# Altium PCB Power.PcbDoc
Units mil, origin at the board's own origin, x right, y up, seen from the top; angles counter-clockwise.
Board outline 2755.91 x 1629.77 mil, 2 copper layers (Top Layer, Bottom Layer), stack 21 mil thick; 68 components, 55 nets, 253 pads, 630 vias.
Unrouted connection lines stored in the file: 53.
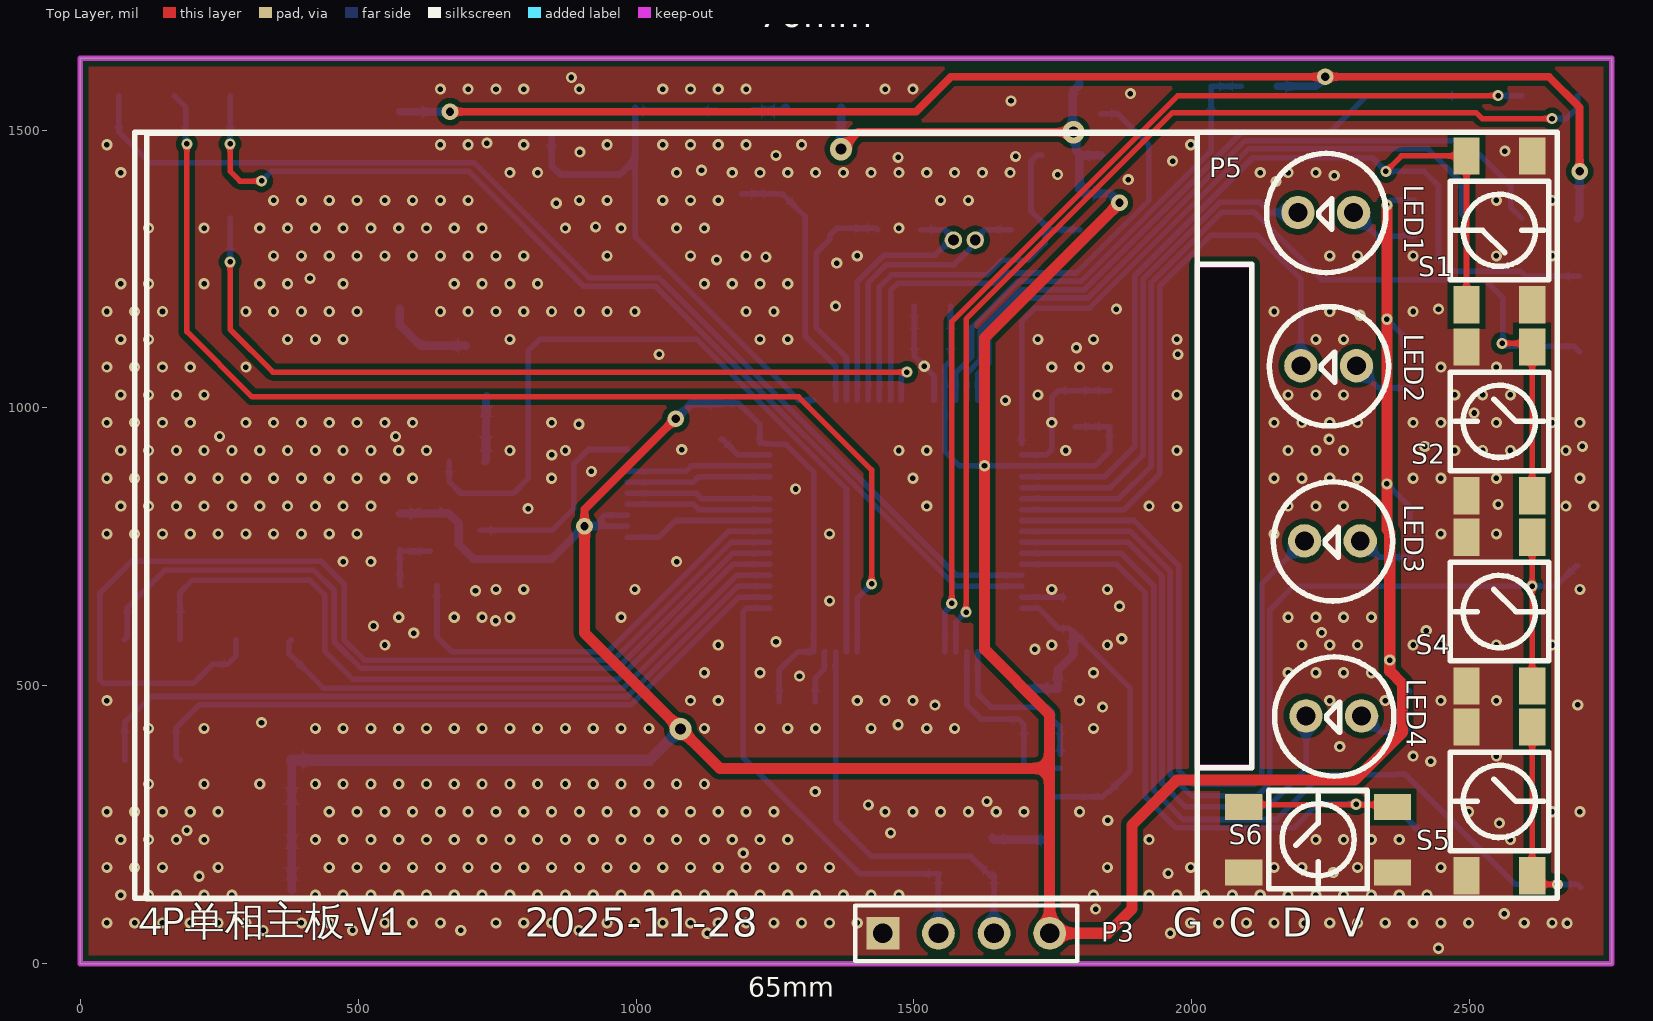
[diagram p0: Top Layer view]
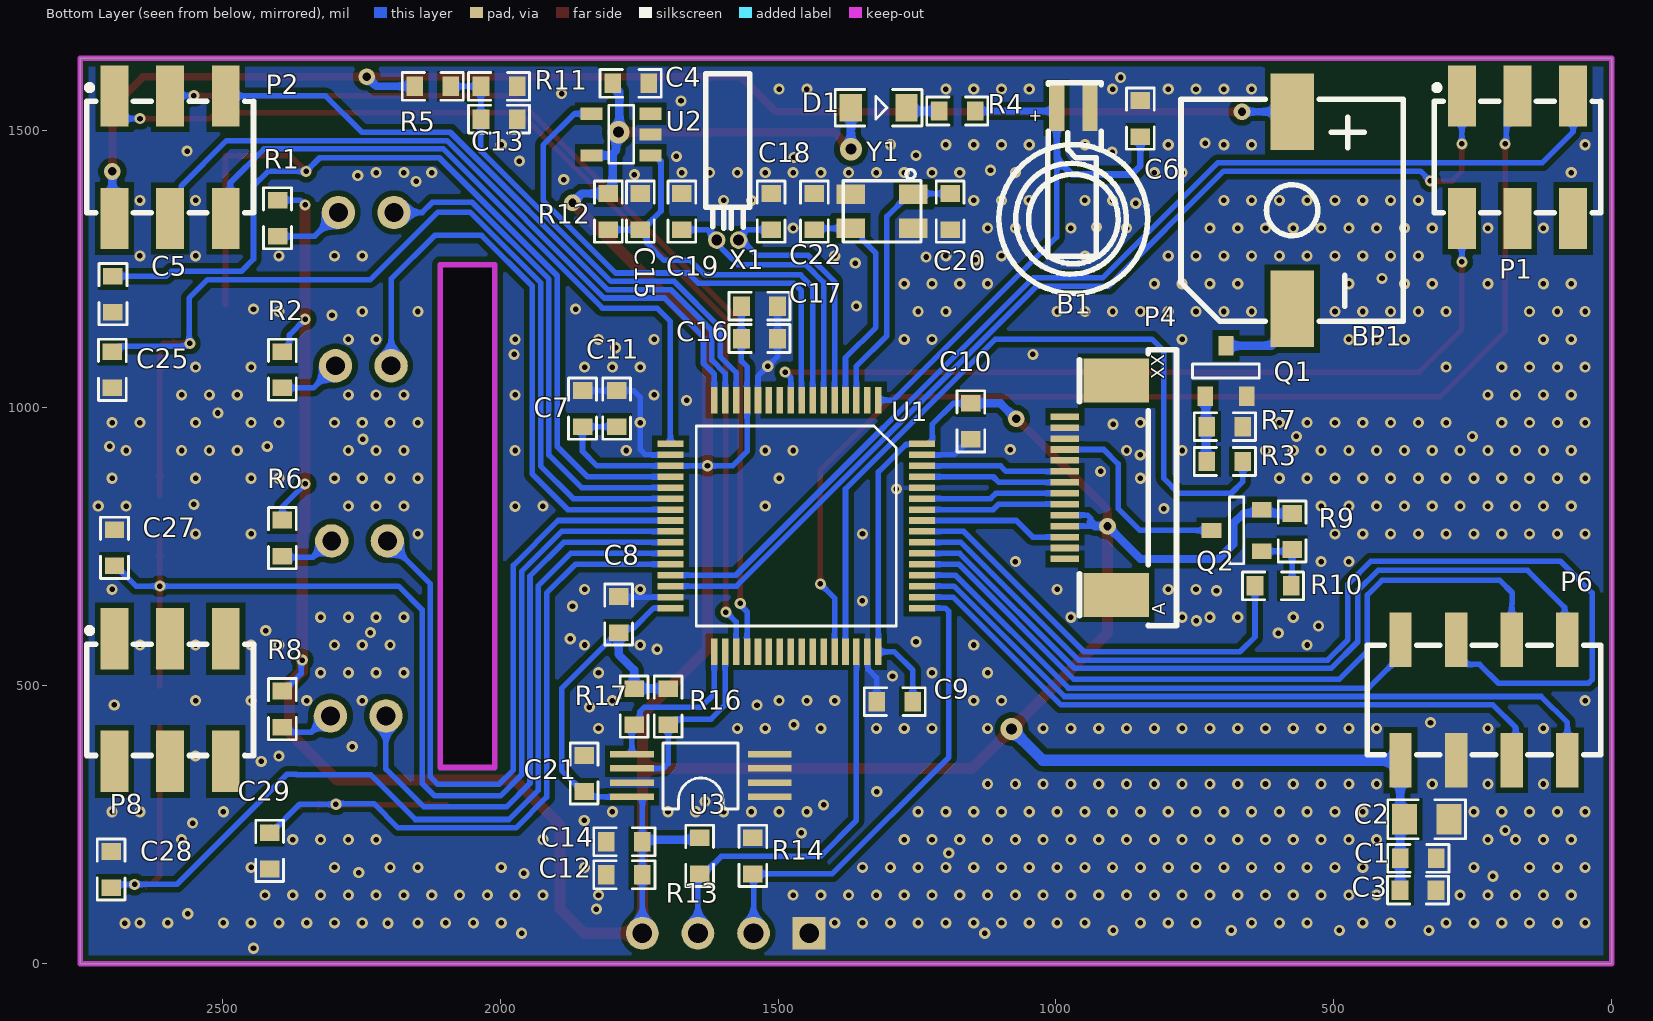
[diagram p1: Bottom Layer view, seen from below]

## Layer stack, top to bottom
Top Solder: solder mask 0.4, Solder Resist, Dk 3.5
Top Layer: signal copper 1.4
Dielectric 2: prepreg 2.8, Composite dielectric, Dk 4.1
Dielectric 1: prepreg 12.6, Composite dielectric, Dk 4.1
Dielectric 3: prepreg 2.8, Composite dielectric, Dk 4.1
Bottom Layer: signal copper 1.4
Bottom Solder: solder mask 0.4, Solder Resist, Dk 3.5

## Board outline
0,0 2755.35,0 2755.63,-0.28 2755.63,1629.5 -0.28,1629.5 0,1629.22
cut-out: 2009.88,353.16 2009.88,1258.01 2107.88,1258.01 2107.88,353.16

## Design rules (kind name [scope] priority, off if disabled: settings)
Clearance "Via to pad" [IsVia vs IsPad] p1: gap=10 ignorepadtopadclearanceinfootprint=FALSE
Clearance Ploy [InPoly] p2: gap=10 ignorepadtopadclearanceinfootprint=FALSE
Clearance "Track to pad" [IsTrack vs IsPad] p3: gap=8 ignorepadtopadclearanceinfootprint=FALSE
Clearance "Track to track" [IsTrack vs IsTrack] p4: gap=5 ignorepadtopadclearanceinfootprint=FALSE
Clearance "Via to Track" [IsVia vs IsTrack] p5: gap=10 ignorepadtopadclearanceinfootprint=FALSE
Clearance "Via To Via" [IsVia vs IsVia] p6: gap=10 ignorepadtopadclearanceinfootprint=FALSE
ComponentClearance [All] p1: gap=0 collisioncheckmode=3 verticalgap=0 showdistances=FALSE
DiffPairsRouting [All] p1: maxlimit=10 minlimit=7 mostfreqgap=7 toplayer_minwidth=5 toplayer_maxwidth=100 toplayer_prefwidth=7 bottomlayer_minwidth=5 bottomlayer_maxwidth=100 bottomlayer_prefwidth=7 maxuncoupledlength=500
HoleSize [All] p1: absolutevalues=TRUE maxlimit=200 minlimit=1 maxpercent=80.000 minpercent=20.000
HoleToHoleClearance [All] p1: gap=5 allowstackedmicrovias=TRUE
MinimumSolderMaskSliver [All] p1: minsoldermaskwidth=0
PolygonConnect [All vs (InPadClass('All Pads'))] p1: connectstyle=Direct reliefconductorwidth=10 reliefentries=4 polygonreliefangle="90 Angle" airgapwidth=10
PolygonConnect GND焊盘 [InNet('GND_1') vs (InPadClass('All Pads'))] p2: connectstyle=Relief reliefconductorwidth=10 reliefentries=4 polygonreliefangle="90 Angle" airgapwidth=10
PolygonConnect GND过孔 [All vs IsVia] p3: connectstyle=Direct reliefconductorwidth=10 reliefentries=4 polygonreliefangle="90 Angle" airgapwidth=10
RoutingVias RoutingVias_1 [InNet('AGND_1')] p1: holewidth=10 width=20 viastyle="Through Hole" minholewidth=10 minwidth=20 maxholewidth=28 maxwidth=50
RoutingVias [All] p2: holewidth=10 width=20 viastyle="Through Hole" minholewidth=10 minwidth=20 maxholewidth=28 maxwidth=50
SilkToSilkClearance [All] p1: silktosilkclearance=0
SilkToSolderMaskClearance [IsPad] p1: minsilkscreentomaskgap=0 clearancetoexposedcopper=TRUE
SolderMaskExpansion [All] p1: expansion=1 istentingtop=FALSE
Width [All] p1: maxlimit=300 minlimit=5 preferedwidth=7 minimp=50.000000 maximp=50.000000 favimp=50.000000
23 further rules are at their usual default settings.

## Classes and differential pairs
component class Sheet1: BP1 C5 C25 C27 C28 C29 LED1 LED2 LED3 LED4 P4 P5 Q1 Q2 R1 R2 R3 R6 R7 R8 R9 R10 S1 S2 S4 S5 S6
component class MCU: B1 C4 C6 C7 C8 C9 C10 C11 C12 C13 C14 C15 C16 C17 C18 C19 C20 C21 C22 D1 P3 R4 R5 R11 R12 R13 R14 R16 R17 U1 U2 U3 X1 Y1
component class 连接: C1 C2 C3 P1 P2 P6 P8

## Components (designator, comment, footprint, x,y, rotation, side; value= is the part's Value field where it differs from the comment)
B1 "MS621" MS621 1362.62,-1182.01 r90 bottom
BP1 "BEEP" XHXDZ-SMD9650 575,1533 r90 bottom
C1 "10uF/25V" 0603R 315.5,189.88 r0 bottom
C2 "22uF/10V" 0805R 373,260 r180 bottom
C3 "104/10V" 0603R 316.12,132.6 r0 bottom
C4 "104" 0603R 1732.52,1584.01 r0 bottom
C5 "104" 0603R 2696.48,1237.26 r270 bottom
C6 "0.1uF/10V/0603" 0603R 848.03,1553.16 r270 bottom
C7 "0.1uF" 0603R 1851.7,1031.32 r270 bottom
C8 "0.1uF" 0603R 1786.65,660.91 r270 bottom
C9 "0.1uF" 0603R 1322.44,471.85 r180 bottom
C10 "0.1uF" 0603R 1153.05,943.47 r90 bottom
C11 "4.7uF/10V/0603" 0603R 1790.16,1031.32 r270 bottom
C12 "10nF/10V/0603" 0603R 1809.05,160.24 r180 bottom
C13 "104" 0603R 1969.42,1519.55 r0 bottom
C14 "1uF/10V/0603" 0603R 1809.05,219.62 r180 bottom
C15 "0.1uF/10V/0603" 0603R 1747.51,1385.76 r270 bottom
C16 "10nF/10V/0603" 0603R 1500.8,1124.95 r0 bottom
C17 "1uF/10V/0603" 0603R 1500.8,1183.33 r0 bottom
C18 "10pF" 0603r 1512.19,1320.76 r90 bottom
C19 "10pF" 0603r 1672.8,1385.76 r270 bottom
C20 "20pF" 0603r 1190.16,1320.76 r90 bottom
C21 "0.1uF" 0603R 1848.87,374.92 r270 bottom
C22 "20pF" 0603r 1434.7,1385.76 r270 bottom
C25 "104" 0603R 2697.53,1101.18 r270 bottom
C27 "104" 0603R 2693.69,715.93 r90 bottom
C28 "104" 0603R 2699.96,137.07 r90 bottom
C29 "104" 0603R 2414.78,235.63 r270 bottom
D1 "SS14" SOD323 1269.03,1540.17 r180 bottom
LED1 "LED" LED 2240.99,1351.58 r180 top locked
LED2 "LED" Led 2246.01,1075.99 r180 top
LED3 "LED" led 2252.89,761.03 r180 top
LED4 "LED" led 2255.35,446.07 r180 top
P1 "Header 3X2" CONN-SMD_5BME8-08872-203-W0 169.53,1451.26 r180 bottom locked
P2 "Header 3X2" CONN-SMD_5BME8-08872-203-W0 2593.69,1451.26 r180 bottom locked
P3 "Header 4" HDR1X4 1444,55 r0 top
P4 "Header 14" 0.5mm间距FPC排座上接14pin 937.62,856.41 r270 bottom
P5 "TFT 2.0" 2.0寸TFT彩屏 2009.51,1494.76 r180 top locked
P6 "Header 4X2" CONN-SMD_5BME8-08872-204-W0 229.92,474.57 r180 bottom locked
P8 "Header 3X2" CONN-SMD_5BME8-08872-203-W0 2593.69,474.57 r180 bottom locked
Q1 "S8050" SOT-23 731.53,1021.38 r180 bottom
Q2 "AO3401" SOT-23 629.54,742.29 r90 bottom
R1 "Res2" 0603R 2400.41,1373.91 r270 bottom value=1K
R2 "Res2" 0603R 2391.63,1101.22 r270 bottom value=1K
R3 "4.7K/5%" 0603R 663.63,903.71 r0 bottom
R4 "470R/5%" 0603R 1145.02,1534.34 r0 bottom
R5 "9K/1%/0603" 0603R 2153.66,1578.78 r180 bottom
R6 "Res2" 0603R 2391.63,798.43 r270 bottom value=1K
R7 "47K/5%" 0603R 728.64,966.54 r180 bottom
R8 "Res2" 0603R 2391.63,490.79 r270 bottom value=1K
R9 "47K/5%/0603" 0603R 575,745.28 r90 bottom
R10 "4.7K/5%/0603" 0603R 576.85,679.92 r0 bottom
R11 "3K/1%/0603" 0603R 1969.42,1578.78 r0 bottom
R12 "10K/5%/0603" 0603r 1805.26,1320.76 r90 bottom
R13 "10K/5%/0603" 0603r 1641.17,161.73 r90 bottom
R14 "10K/5%/0603" 0603r 1545.32,226.73 r270 bottom
R16 "4.7K/5%/0603" 0603R 1697.69,495.17 r270 bottom
R17 "4.7K/5%/0603" 0603R 1758.77,495.17 r270 bottom
S1 "SW2" 4.5*4.5贴片4脚独立按键 2553.12,1319.57 r270 top
S2 "SW2" 4.5*4.5贴片4脚独立按键 2553.12,975.9 r90 top
S4 "SW2" 4.5*4.5贴片4脚独立按键 2553.12,633.73 r90 top
S5 "SW2" 4.5*4.5贴片4脚独立按键 2553.12,292.25 r90 top
S6 "SW2" 4.5*4.5贴片4脚独立按键 2227.13,223.27 r180 top
U1 "*" LQFP64 1319.49,1014.1 r270 bottom
U2 "CAT823ZTDI-GT3" SOT-23-5 1729.54,1454.55 r90 bottom
U3 "BL24C16A-SFRC" TSSOP8 1514.79,300.42 r0 bottom
X1 "32.768K" 无源32.768K晶振圆柱 1590.58,1302.07 r270 bottom
Y1 "8MHz无源" 3225 1312.78,1353.76 r180 bottom

## Footprints (in the part's own frame and the unit in brackets; to place one, negate y for a bottom-side part, rotate by r counter-clockwise, add the part's x,y. Pads: shape width x height; smd on the part's side, far side on the other; paste and mask are expansions set on the pad)
0.5mm间距FPC排座上接14pin [mm]
  rect 0.3x1.3 smd paste+0.051: 1(-3.25,-1.175) 2(-2.75,-1.175) 3(-2.25,-1.175) 4(-1.75,-1.175) 5(-1.25,-1.175) 6(-0.75,-1.175) 7(-0.25,-1.175) 8(0.25,-1.175) 9(0.75,-1.175) 10(1.25,-1.175) 11(1.75,-1.175) 12(2.25,-1.175) 13(2.75,-1.175) 14(3.25,-1.175)
  rect 2x3 smd paste+0.051: 15(4.9,1.175) 16(-4.9,1.175)
  silkscreen extent -6.3,-0.51 6.3,3.92
2.0寸TFT彩屏 [mil]
  Keep-Out Layer lines w10: -0.37,1141.6 -98.37,1141.6 -98.37,236.75 -0.37,236.75 -0.37,1141.6
  silkscreen extent -98,0 1890,1378
4.5*4.5贴片4脚独立按键 [mm]
  rect 1.7x1.2 smd: 1(-3.4,-1.5) 1(3.4,-1.5) 2(-3.4,1.5) 2(3.4,1.5)
  silkscreen extent -2.25,-2.25 2.25,2.25
0603R [mil]
  rect 30x35 smd: 1(0,0) 2(65,0)
  silkscreen extent -22,-25 88,25
0603r [mil]
  rect 30x35 smd: 1(0,0) 2(65,0)
  silkscreen extent -22,-25 88,25
0805R [mil]
  rect 45x55 smd: 1(0,0) 2(80,0)
  silkscreen extent -30,-35 110,35
3225 [mm]
  rect 1.3x0.9 smd: 1(1.425,0.775) 2(-1.425,0.775) 3(-1.425,-0.775) 4(1.425,-0.775)
  silkscreen extent -1.78,-1.4 1.78,1.91, body extent -1.65,-1.3 1.55,1.2, height 0.61
CONN-SMD_5BME8-08872-203-W0 [mm]
  rect 1.27x2.8 smd paste+0.051: 1(-2.54,2.8) 2(-2.54,-2.8) 3(0,2.8) 4(0,-2.8) 5(2.54,2.8) 6(2.54,-2.8)
  silkscreen extent -3.81,-2.54 3.81,3.3
CONN-SMD_5BME8-08872-204-W0 [mm]
  rect 1.02x2.5 smd paste+0 mask+0.05: 1(-3.81,2.75) 2(-3.81,-2.75) 3(-1.27,2.75) 4(-1.27,-2.75) 5(1.27,2.75) 6(1.27,-2.75) 7(3.81,2.75) 8(3.81,-2.75)
  silkscreen extent -5.33,-2.5 5.33,2.5
HDR1X4 [mm] "Connector; Header; 4 Position"
  rect 1.5x1.5 hole 0.9: 1(0,0)
  round 1.5 hole 0.9: 2(2.54,0) 3(5.08,0) 4(7.62,0)
  silkscreen extent -1.27,-1.27 8.89,1.27
LED [mil]
  round 60 hole 34: 1(-50,0) 2(50,0)
  silkscreen extent -108,-106 107,108
Led [mil]
  round 60 hole 34: 1(-50,0) 2(50,0)
  silkscreen extent -108,-106 107,108
led [mil]
  round 60 hole 34: 1(-50,0) 2(50,0)
  silkscreen extent -108,-106 107,108
LQFP64 [mm]
  rect 1.2x0.3 smd: 1(0,0) 2(0,-0.5) 3(0,-1) 4(0,-1.5) 5(0,-2) 6(0,-2.5) 7(0,-3) 8(0,-3.5) 9(0,-4) 10(0,-4.5) 11(0,-5) 12(0,-5.5) 13(0,-6) 14(0,-6.5) 15(0,-7) 16(0,-7.5) 33(11.5,-7.5) 34(11.5,-7) 35(11.5,-6.5) 36(11.5,-6) 37(11.5,-5.5) 38(11.5,-5) 39(11.5,-4.5) 40(11.5,-4) 41(11.5,-3.5) 42(11.5,-3) 43(11.5,-2.5) 44(11.5,-2) 45(11.5,-1.5) 46(11.5,-1) 47(11.5,-0.5) 48(11.5,0)
  rect 0.3x1.2 smd: 17(2,-9.5) 18(2.5,-9.5) 19(3,-9.5) 20(3.5,-9.5) 21(4,-9.5) 22(4.5,-9.5) 23(5,-9.5) 24(5.5,-9.5) 25(6,-9.5) 26(6.5,-9.5) 27(7,-9.5) 28(7.5,-9.5) 29(8,-9.5) 30(8.5,-9.5) 31(9,-9.5) 32(9.5,-9.5) 49(9.5,2) 50(9,2) 51(8.5,2) 52(8,2) 53(7.5,2) 54(7,2) 55(6.5,2) 56(6,2) 57(5.5,2) 58(5,2) 59(4.5,2) 60(4,2) 61(3.5,2) 62(3,2) 63(2.5,2) 64(2,2)
  silkscreen extent 1.18,-8.32 10.32,0.82
MS621 [mil]
  rect 82.68x27.56 smd paste+0 mask+1.97: 1(2722,-364) 2(2722,-424)
  silkscreen extent 2388,-528 2767,-260
SOD323 [mil]
  rect 40x50 smd: 1(0,0) 2(-100,0)
  silkscreen extent -128,-33 28,33
SOT-23 [mm]
  rect 0.7x0.9 smd: 1(0,0) 2(1.9,0) 3(0.95,2.3)
  silkscreen extent -0.57,0.82 2.47,1.47
SOT-23-5 [mm]
  rect 0.55x1 smd: 1(0,0) 2(0.95,0) 3(1.9,0) 4(1.9,2.7) 5(0,2.7)
  silkscreen extent -0.37,0.76 2.29,1.91
TSSOP8 [mm]
  rect 2x0.3 smd: 1(0,0) 2(0,-0.65) 3(0,-1.3) 4(0,-1.95) 5(6.299,-1.95) 6(6.299,-1.3) 7(6.299,-0.65) 8(6.299,0)
  silkscreen extent 1.45,-2.46 4.88,0.56
XHXDZ-SMD9650 [mm]
  rect 3.5x2 smd: 1(0,0) 2(-9.001,0)
  silkscreen extent -9.58,-5.08 0.58,5.08
无源32.768K晶振圆柱 [mm]
  round 0.8 hole 0.5 paste+0.051: 1(0,-0.5) 2(0,0.5)
  silkscreen extent -7.6,-1 -0.54,1

## Part data
B1: library part BATTERY
C1 C4 C5 C13 C18 C19 C20 C22 C25 C27 C28 C29: library part CAP
C2: library part "Cap Pol1", "Polarized Capacitor (Radial)", LatestRevisionDate=17-Jul-2002, LatestRevisionNote="Re-released for DXP Platform.", PackageDescription="Polarized Capacitor (Radial); 2 Leads", PackageReference=RB7.6-15, Published=8-Jun-2000, Publisher="Altium Limited"
C3 C6 C7 C8 C9 C10 C11 C12 C14 C15 C16 C17 C21: library part CAP_1
D1: library part DIODE
P1 P2 P8: "Header, 3-Pin, Dual row", LatestRevisionDate=17-Jul-2002, LatestRevisionNote="Re-released for DXP Platform.", Publisher="Altium Limited"
P3: "Header, 4-Pin", LatestRevisionDate=17-Jul-2002, LatestRevisionNote="Re-released for DXP Platform.", Publisher="Altium Limited"
P4: "Header, 14-Pin", LatestRevisionDate=17-Jul-2002, LatestRevisionNote="Re-released for DXP Platform.", Publisher="Altium Limited"
P5: library part "Header 14", LatestRevisionDate=17-Jul-2002, LatestRevisionNote="Re-released for DXP Platform.", Publisher="Altium Limited"
P6: "Header, 4-Pin, Dual row", LatestRevisionDate=17-Jul-2002, LatestRevisionNote="Re-released for DXP Platform.", Publisher="Altium Limited"
Q1: library part NPN_1
Q2: library part PNP
R3 R7: library part Res2, "Resistor", LatestRevisionDate=17-Jul-2002, LatestRevisionNote="Re-released for DXP Platform.", PackageDescription="Axial Device, Thru-Hole; 2 Leads; 0.4 in Pin Spacing", PackageReference=AXIAL-0.4, Published=8-Jun-2000, Publisher="Altium Limited"
R4 R5 R9 R10 R11 R12 R13 R14 R16 R17: library part RES
U1: library part N32G452REL7, Symbol=N32G452REL7
U2: library part CAT823
U3: library part 24LC02
X1: library part XTAL
Y1: library part 12MHz无源
R1 R2 R6 R8: LatestRevisionDate=17-Jul-2002, LatestRevisionNote="Re-released for DXP Platform.", PackageDescription="Axial Device, Thru-Hole; 2 Leads; 0.4 in Pin Spacing", PackageReference=AXIAL-0.4, Published=8-Jun-2000, Publisher="Altium Limited"

## Via types
v1: diameter 20, hole 10, Top Layer to Bottom Layer, 621 vias
v2: diameter 30, hole 15, Top Layer to Bottom Layer, 6 vias
v3: diameter 40, hole 20, Top Layer to Bottom Layer, 3 vias

## Nets (pads, with @x,y where several pads share a name; then routed paths per layer and width w, separated by ;. In a path a pad name is that pad's centre, name@x,y a point inside that pad or via, vN(x,y) a via of type N, cw(c..) or ccw(c..) an arc to the next point about the centre after c; other vN are vias at no path point)
4G_MCU_RXD: P6.1 U1.52 | length 1002.9
  Bottom Layer w10: P6.1 375,577.92 375,557.25 376.37,557.25 437.68,495.94 977.69,495.94 1180.89,699.13 U1.52
4G_MCU_TXD: P6.8 U1.51 | length 1330.2
  Bottom Layer w10: P6.8 79.92,433.92 126.94,480.94 984.81,480.94 1183.33,679.45 U1.51
4G_Reset: P6.6 U1.50 | length 1226.9
  Bottom Layer w10: P6.6 172.63,373.58 172.63,424.65 213.74,465.76 990.85,465.76 1184.85,659.76 U1.50
BEEP: R3.1 U1.45 | length 1413.5
  Bottom Layer w10: R3.1 663.63,867.45 684.52,846.57 779.16,846.57 805.79,873.19 805.79,1102.36 827.32,1123.89 1108.91,1123.89 1378.54,854.26 U1.45
BL0942_MCU_RXD: P2.6 U1.17 | length 1233.7
  Bottom Layer w10: U1.17 1693.5,1155.73 1717.51,1179.74 1815.78,1179.74 2102.04,1466 2424.74,1466 2485.46,1405.28 2485.46,1349.26 P2.6
BL0942_MCU_TXD: P2.4 U1.16 | length 1307.9
  Bottom Layer w10: U1.16 1614.76,1060.81 1634.01,1080.06 1634.01,1127.66 1704.21,1197.86 1812.69,1197.86 2095.83,1481 2491.93,1481 2573.69,1399.23 2573.69,1361.02 P2.4
Dog_WDI: U1.8 U2.4 | length 939
  Bottom Layer w10: U1.8 1458.06,1014.87 1458.06,1210.91 1471.49,1224.34 1643.29,1224.34 1661.81,1242.86 1792.28,1242.86 1922.67,1373.26 1922.67,1473.14 1866.46,1529.35 U2.4
ERPOM_SCL: R16.2 U1.34 U3.6 | length 351.7
  Bottom Layer w10: U1.34 1595.08,465.62 1620.53,440.17 1687.69,440.17 R16.2 1697.69,360.14 1706.23,351.6 U3.6
ERPOM_SDA: R17.2 U1.33 U3.5 | length 305.5
  Bottom Layer w10: U1.33 1614.76,485.19 1638.17,461.78 1740.3,461.78 1748.48,453.59 1748.48,440.17 1758.48,430.17 R17.2 1762.78,426.15 U3.5
GND: B1.2 C1.1 C2.2 C3.1 C4.1 C5.2 C6.1 C7.1 C8.1 C9.1 C10.1 C11.1 C12.1 C13.1 C14.1 C15.1 C16.1 C17.1 C18.2 C19.1 C20.1 C21.1 C22.1 C25.2 C27.2 C28.2 C29.2 P3.1 P4.2 P4.3 P4.5 P4.13 P6.4 Q1.2 R7.2 R11.1 R14.1 S1.2 S2.2 S4.2 S5.2 S6.2 U1.12 U1.18 U1.31 U1.47 U1.60 U1.63 U2.2 U3.1 U3.2 U3.3 U3.4 U3.7 Y1.2 Y1.4 | length 716.5
  Bottom Layer w10: C10.1 1155.55,943.47 1183.35,915.67 U1.63 ; C9.1 1322.44,514.19 1338.39,530.14 1338.39,560.56 U1.47 ; C17.1 C16.1 1500.8,1092.67 1536.02,1057.45 U1.12 ; U1.31 C8.1@1769.4,659.76 ; U1.18 1738.19,915.67 1747.51,924.99 1747.51,1018.94 1759.89,1031.32 C11.1 C7.1
  other v1: 2443.69,28.01 1128.05,55 1961.15,55 329,60 489.92,60 684.52,60 897.04,60 2202,73 2674.96,73 47.94,73.56 97.94,73.56 147.94,73.56 197.94,73.56 247.94,73.56 297.94,73.56 397.94,73.56 447.94,73.56 547.94,73.56 597.94,73.56 647.94,73.56 747.94,73.56 797.94,73.56 847.94,73.56 947.94,73.56 997.94,73.56 1047.94,73.56 1097.94,73.56 1147.94,73.56 1197.94,73.56 1247.94,73.56 1297.94,73.56 1347.94,73.56 1397.94,73.56 1997.94,73.56 2047.94,73.56 2097.94,73.56 2147.94,73.56 2247.94,73.56 2297.94,73.56 2347.94,73.56 2397.94,73.56 2447.94,73.56 2497.94,73.56 2597.94,73.56 2647.94,73.56 2562,90 1826.7,98.34 72.94,123.56 122.94,123.56 172.94,123.56 222.94,123.56 272.94,123.56 422.94,123.56 472.94,123.56 522.94,123.56 572.94,123.56 622.94,123.56 672.94,123.56 722.94,123.56 772.94,123.56 822.94,123.56 872.94,123.56 922.94,123.56 972.94,123.56 1022.94,123.56 1072.94,123.56 1122.94,123.56 1172.94,123.56 1222.94,123.56 1272.94,123.56 1322.94,123.56 1372.94,123.56 1422.94,123.56 1472.94,123.56 1822.94,123.56 1922.94,123.56 1972.94,123.56 2022.94,123.56 2072.94,123.56 2122.94,123.56 2172.94,123.56 2222.94,123.56 2272.94,123.56 2322.94,123.56 2372.94,123.56 2422.94,123.56 213.74,157.6 1957.05,162.81 2254.3,164.21 47.94,173.56 97.94,173.56 147.94,173.56 247.94,173.56 447.94,173.56 497.94,173.56 547.94,173.56 597.94,173.56 647.94,173.56 697.94,173.56 747.94,173.56 797.94,173.56 847.94,173.56 897.94,173.56 947.94,173.56 997.94,173.56 1047.94,173.56 1097.94,173.56 1147.94,173.56 1197.94,173.56 1247.94,173.56 1297.94,173.56 1347.94,173.56 1847.94,173.56 1997.94,173.56 2147.94,173.56 2197.94,173.56 2297.94,173.56 2447.94,173.56 1192.79,199.19 72.94,223.56 122.94,223.56 172.94,223.56 222.94,223.56 422.94,223.56 472.94,223.56 522.94,223.56 572.94,223.56 622.94,223.56 672.94,223.56 722.94,223.56 772.94,223.56 822.94,223.56 872.94,223.56 922.94,223.56 972.94,223.56 1022.94,223.56 1072.94,223.56 1122.94,223.56 1172.94,223.56 1222.94,223.56 1272.94,223.56 1922.94,223.56 2222.94,223.56 2272.94,223.56 2322.94,223.56 2372.94,223.56 2572.94,223.56 1458.06,235.63 191.73,240.14 2553.11,253.26 1848.66,258.13 47.94,273.56 97.94,273.56 147.94,273.56 197.94,273.56 247.94,273.56 447.94,273.56 497.94,273.56 547.94,273.56 597.94,273.56 647.94,273.56 697.94,273.56 747.94,273.56 797.94,273.56 847.94,273.56 897.94,273.56 947.94,273.56 997.94,273.56 1047.94,273.56 1097.94,273.56 1147.94,273.56 1197.94,273.56 1247.94,273.56 1447.94,273.56 1497.94,273.56 1547.94,273.56 1597.94,273.56 1647.94,273.56 1697.94,273.56 1797.94,273.56 2497.94,273.56 2647.94,273.56 2697.94,273.56 1417.91,286.03 1631.2,292.25 1322.44,309.92 122.94,323.56 222.94,323.56 322.94,323.56 422.94,323.56 472.94,323.56 522.94,323.56 572.94,323.56 622.94,323.56 672.94,323.56 722.94,323.56 772.94,323.56 822.94,323.56 872.94,323.56 922.94,323.56 972.94,323.56 1022.94,323.56 1072.94,323.56 1122.94,323.56 2429.65,364.33 2397.94,373.56 2547.94,373.56 2265.98,390.68 122.94,423.56 222.94,423.56 422.94,423.56 472.94,423.56 522.94,423.56 572.94,423.56 622.94,423.56 672.94,423.56 722.94,423.56 772.94,423.56 822.94,423.56 872.94,423.56 922.94,423.56 972.94,423.56 1022.94,423.56 1122.94,423.56 1222.94,423.56 1272.94,423.56 1322.94,423.56 1422.94,423.56 1522.94,423.56 1572.94,423.56 1822.94,423.56 1471.49,430.17 326.11,433.92 1839.37,461.78 1537.77,465.32 2694.13,465.76 47.94,473.56 1097.94,473.56 1147.94,473.56 1397.94,473.56 1447.94,473.56 1497.94,473.56 1797.94,473.56 2247.94,473.56 2347.94,473.56 2447.94,473.56 2547.94,473.56 1294.03,517.67 1122.94,523.56 1222.94,523.56 1822.94,523.56 2172.94,523.56 2222.94,523.56 2272.94,523.56 2322.94,523.56 1717.51,565.98 547.94,573.56 1147.94,573.56 1747.94,573.56 1847.94,573.56 2197.94,573.56 2247.94,573.56 2297.94,573.56 2397.94,573.56 2447.94,573.56 2547.94,573.56 2647.94,573.56 1251.76,579.42 1873.87,584.8 600,594.99 2233.22,595.91 2421.58,599.57 527.56,607.72 747.2,617.28 572.94,623.56 672.94,623.56 722.94,623.56 772.94,623.56 972.94,623.56 2172.94,623.56 2222.94,623.56 2272.94,623.56 2322.94,623.56 1869.78,643.41 1348.29,652.95 711.14,671.27 747.94,673.56 797.94,673.56 997.94,673.56 1747.94,673.56 1847.94,673.56 2697.94,673.56 472.94,723.56 522.94,723.56 1072.94,723.56 47.94,773.56 97.94,773.56 147.94,773.56 197.94,773.56 247.94,773.56 297.94,773.56 347.94,773.56 397.94,773.56 447.94,773.56 497.94,773.56 1347.94,773.56 2147.94,773.56 2447.94,773.56 2547.94,773.56 805.79,819 1972.87,822.94 72.94,823.56 122.94,823.56 172.94,823.56 222.94,823.56 272.94,823.56 322.94,823.56 372.94,823.56 422.94,823.56 472.94,823.56 522.94,823.56 1522.94,823.56 1922.94,823.56 2172.94,823.56 2222.94,823.56 2272.94,823.56 2672.94,823.56 2722.94,823.56 2550.92,826.58 1287.12,854.26 47.94,873.56 97.94,873.56 147.94,873.56 197.94,873.56 247.94,873.56 297.94,873.56 347.94,873.56 397.94,873.56 447.94,873.56 497.94,873.56 547.94,873.56 597.94,873.56 847.94,873.56 1497.94,873.56 2147.94,873.56 2197.94,873.56 2247.94,873.56 2297.94,873.56 2397.94,873.56 2447.94,873.56 2547.94,873.56 2697.94,873.56 919.73,885.94 848.21,915.67 72.94,923.56 122.94,923.56 172.94,923.56 222.94,923.56 272.94,923.56 322.94,923.56 372.94,923.56 422.94,923.56 472.94,923.56 522.94,923.56 572.94,923.56 622.94,923.56 772.94,923.56 872.94,923.56 1472.94,923.56 1522.94,923.56 1772.94,923.56 1972.94,923.56 2172.94,923.56 2222.94,923.56 2272.94,923.56 2472.94,923.56 2522.94,923.56 2572.94,923.56 2672.94,923.56 1082.11,924.99 2418.94,930.82 2702.42,930.82 2246.79,943.82 250.73,948.85 567.5,948.92 897.04,970.82 47.94,973.56 97.94,973.56 147.94,973.56 197.94,973.56 297.94,973.56 347.94,973.56 397.94,973.56 447.94,973.56 497.94,973.56 547.94,973.56 597.94,973.56 847.94,973.56 1747.94,973.56 2147.94,973.56 2197.94,973.56 2247.94,973.56 2297.94,973.56 2397.94,973.56 2447.94,973.56 2547.94,973.56 2647.94,973.56 2697.94,973.56 2507.84,990.97 1664.42,1013.72 72.94,1023.56 122.94,1023.56 172.94,1023.56 222.94,1023.56 1722.94,1023.56 1972.94,1023.56 2172.94,1023.56 2222.94,1023.56 2272.94,1023.56 2472.94,1023.56 2522.94,1023.56 2572.94,1023.56 47.94,1073.56 97.94,1073.56 147.94,1073.56 197.94,1073.56 297.94,1073.56 1747.94,1073.56 1797.94,1073.56 1847.94,1073.56 2447.94,1073.56 2547.94,1073.56 1518.41,1075.06 1041.39,1096.37 1974.72,1096.37 1792.28,1108.43 72.94,1123.56 122.94,1123.56 372.94,1123.56 422.94,1123.56 472.94,1123.56 772.94,1123.56 1222.94,1123.56 1272.94,1123.56 1722.94,1123.56 1822.94,1123.56 1972.94,1123.56 2222.94,1123.56 2272.94,1123.56 2302.44,1166.77 47.94,1173.56 97.94,1173.56 147.94,1173.56 297.94,1173.56 347.94,1173.56 397.94,1173.56 447.94,1173.56 497.94,1173.56 647.94,1173.56 697.94,1173.56 747.94,1173.56 797.94,1173.56 847.94,1173.56 897.94,1173.56 947.94,1173.56 997.94,1173.56 1197.94,1173.56 1247.94,1173.56 2147.94,1173.56 2247.94,1173.56 2397.94,1173.56 1864.12,1177.88 2443.69,1177.88 1358.86,1183.34 72.94,1223.56 122.94,1223.56 222.94,1223.56 322.94,1223.56 372.94,1223.56 472.94,1223.56 672.94,1223.56 722.94,1223.56 772.94,1223.56 822.94,1223.56 1122.94,1223.56 1172.94,1223.56 1222.94,1223.56 1272.94,1223.56 413.33,1233.13 1361.01,1260.68 1145.02,1266.49 1233.42,1271.64 347.94,1273.56 397.94,1273.56 447.94,1273.56 497.94,1273.56 547.94,1273.56 597.94,1273.56 647.94,1273.56 697.94,1273.56 747.94,1273.56 797.94,1273.56 947.94,1273.56 1097.94,1273.56 1197.94,1273.56 1397.94,1273.56 2247.94,1273.56 2297.94,1273.56 2397.94,1273.56 2547.94,1273.56 2647.94,1273.56 122.94,1323.56 222.94,1323.56 322.94,1323.56 372.94,1323.56 422.94,1323.56 472.94,1323.56 522.94,1323.56 572.94,1323.56 622.94,1323.56 672.94,1323.56 722.94,1323.56 872.94,1323.56 972.94,1323.56 1072.94,1323.56 1122.94,1323.56 1472.94,1323.56 927.24,1325.89 856.31,1368.26 347.94,1373.56 397.94,1373.56 447.94,1373.56 497.94,1373.56 547.94,1373.56 597.94,1373.56 647.94,1373.56 697.94,1373.56 897.94,1373.56 947.94,1373.56 1047.94,1373.56 1097.94,1373.56 1147.94,1373.56 1547.94,1373.56 1597.94,1373.56 2547.94,1373.56 2647.94,1373.56 2150.96,1407.76 1885.51,1410.84 2256.14,1418 1758.48,1419.99 72.94,1423.56 772.94,1423.56 822.94,1423.56 1072.94,1423.56 1172.94,1423.56 1222.94,1423.56 1272.94,1423.56 1322.94,1423.56 1372.94,1423.56 1422.94,1423.56 1472.94,1423.56 1522.94,1423.56 1572.94,1423.56 1622.94,1423.56 1672.94,1423.56 2122.94,1423.56 2172.94,1423.56 2222.94,1423.56 1117.72,1427.76 1965.27,1444.2 1471.49,1450.76 1682.68,1452.66 1251.76,1454.55 899.03,1460.23 2563.12,1462.03 47.94,1473.56 647.94,1473.56 697.94,1473.56 797.94,1473.56 947.94,1473.56 1047.94,1473.56 1097.94,1473.56 1147.94,1473.56 1197.94,1473.56 1297.94,1473.56 1997.94,1473.56 731.53,1476.66 1674.56,1552.49 1889.45,1565.58 647.94,1573.56 697.94,1573.56 747.94,1573.56 797.94,1573.56 897.94,1573.56 1047.94,1573.56 1097.94,1573.56 1147.94,1573.56 1197.94,1573.56 1447.94,1573.56 1497.94,1573.56 883.76,1594.57
Key_button1: C5.1 S1.1 U1.20 | length 2010.3
  Top Layer w10: v1(2349.1,1425.62) 2376.92,1453.43 2494.06,1453.43 S1.1@2494.06,1185.71
  Bottom Layer w10: U1.20 1842.68,876.3 1897.2,930.82 1897.2,1237.92 2109.54,1450.25 2324.46,1450.25 v1(2349.1,1425.62) 2417.89,1425.62 2443.69,1399.81 2443.69,1267.86 2465.57,1245.98 2591.55,1245.98 2600.27,1237.26 C5.1
Key_button2: C25.1 S2.1 U1.22 | length 1878.9
  Top Layer w10: v1(2558.17,1116.35) 2605.58,1116.35 2612.17,1109.76 S2.1@2612.17,842.04
  Bottom Layer w10: U1.22 1868.37,836.93 1927.2,895.76 1927.2,1225.49 2054.23,1352.52 2111.68,1352.52 2233.22,1230.98 2526.14,1230.98 2559.6,1197.52 2559.6,1117.78 v1(2558.17,1116.35) ; v1@2566.04,1111.18 2687.53,1111.18 C25.1
Key_button3: C27.1 S4.1 U1.25 | length 2033.8
  Top Layer w10: S4.1@2612.17,499.87 v1(2612.17,679.45) S4.1@2612.17,767.59
  Bottom Layer w10: U1.25 1889.45,777.87 1961.15,706.17 1961.15,340.1 1999.25,302 2117.52,302 2140.4,324.87 2140.4,637.03 2182.81,679.45 v1(2612.17,679.45) 2654.71,679.45 2691.19,715.93 C27.1
Key_button4: C28.1 S5.1 U1.27 | length 1857.8
  Top Layer w10: S5.1@2612.17,426.11 2612.17,158.39 2627.67,142.9 v1(2657.48,142.9)
  Bottom Layer w10: U1.27 1873.12,738.5 1931.15,680.48 1931.15,312.56 1984.09,259.62 2152.35,259.62 2233.01,340.28 2366.07,340.28 2366.63,340.84 2383.8,340.84 2581.74,142.9 v1(2657.48,142.9) 2694.13,142.9 C28.1
Key_switch: C29.1 S6.1 U1.28 | length 1443.3
  Top Layer w10: S6.1@2093.27,282.32 2097.45,286.5 v1@2294.78,286.5 ; v1(2295.3,287.02) 2296.29,286.03 2357.29,286.03 S6.1@2360.99,282.32
  Bottom Layer w10: U1.28 1864.12,718.82 1916.15,666.79 1916.15,299.96 1971.49,244.62 2183.49,244.62 2227.13,288.26 2294.06,288.26 v1(2295.3,287.02) 2360.89,287.02 2412.28,235.63 C29.1
LCD_CS: P4.12 U1.57 | length 269.2
  Bottom Layer w10: P4.12 1041.67,767.83 1071.4,797.56 U1.57
LCD_D/C: P4.7 U1.61 | length 261
  Bottom Layer w10: P4.7 1102.73,866.25 1112.78,876.3 U1.61
LCD_Light: R10.2 U1.56 | length 791.3
  Bottom Layer w10: R10.2 641.85,588.34 668.78,561.42 949.39,561.42 1165.84,777.87 U1.56
LCD_RESET: P4.6 U1.62 | length 261
  Bottom Layer w10: P4.6 1089.47,885.94 1099.52,895.98 U1.62
LCD_SCL: P4.9 U1.58 | length 260.9
  Bottom Layer w10: P4.9 1103.09,826.88 1112.72,817.24 U1.58
LCD_SDA: P4.8 U1.59 | length 260.9
  Bottom Layer w10: P4.8 1108.09,846.57 1117.72,836.93 U1.59
LED_Alarm: LED3.2 U1.24 | length 1306.2
  Bottom Layer w10: U1.24 1895.57,797.56 1976.15,716.98 1976.15,348.85 2001.58,323.42 2112.65,323.42 2125.4,336.16 2125.4,683.53 LED3.2
LED_Button: LED4.2 U1.26 | length 1051.1
  Bottom Layer w10: U1.26 1885.51,758.19 1946.15,697.55 1946.15,324.85 1988.68,282.32 2137.2,282.32 2205.35,350.47 LED4.2
LED_Net: LED2.2 U1.23 | length 1093.5
  Bottom Layer w10: U1.23 1878.26,817.24 1942.2,881.18 1942.2,1219.28 2033.46,1310.53 2117.63,1310.53 2196.01,1232.16 LED2.2
LED_RUN: LED1.2 U1.21 | length 903.2
  Bottom Layer w10: U1.21 1853.41,856.61 1912.2,915.41 1912.2,1231.7 2050.61,1370.12 2121.86,1370.12 2140.4,1351.58 LED1.2
Lora_MCU_RXD: P6.7 U1.54 | length 1456.4
  Bottom Layer w10: P6.7@79.55,583.2 84.69,588.34 84.69,641.19 151.35,707.85 420.42,707.85 457,671.27 457,579.42 505,531.42 966.07,531.42 1173.16,738.5 U1.54
Lora_MCU_TXD: P6.5 U1.53 | length 1374.3
  Bottom Layer w10: P6.5 179.92,647.05 179.07,647.9 179.07,667.64 201.36,689.92 413.33,689.92 439.76,663.5 439.76,562.49 489.92,512.32 968.19,512.32 1174.69,718.82 U1.53
Lora_Reset: P6.3 U1.55 | length 1901.8
  Bottom Layer w10: P6.3 279.92,553.7 264.84,538.62 237.81,538.62 203.94,504.75 41.93,504.75 35.43,511.25 35.43,667.34 92.6,724.52 433.25,724.52 475,682.77 475,582.63 511.21,546.42 959.23,546.42 1171,758.19 U1.55
LoseCurrent: P1.2 U1.9 | length 1503.7
  Top Layer w10: v1(269.53,1262.72) 269.53,1141.61 346.64,1064.49 v1(1487.19,1064.49)
  Bottom Layer w10: v1(269.53,1262.72) P1.2 ; U1.9 1476.97,1054.27 v1(1487.19,1064.49)
LosePowerCheck: C13.2 R5.2 R11.2 U1.14 | length 875.6
  Bottom Layer w10: U1.14 1575.39,1063.87 1604.01,1092.48 1604.01,1145.14 1686.73,1227.86 1800.26,1227.86 2034.42,1462.03 R11.2 R5.2
MCU_BL0942_Control: P2.5 U1.15 | length 1184.5
  Bottom Layer w10: U1.15 1595.08,1062.34 1619.01,1086.27 1619.01,1138.92 1692.95,1212.86 1806.47,1212.86 2089.68,1496.06 2248.46,1496.06 2313.89,1561.49 P2.5
MCU_RESET: C15.2 R12.1 U1.7 U2.1 | length 776.6
  Bottom Layer w10: U1.7 1437.6,1217.7 1459.38,1239.49 1631.2,1239.49 1657.27,1265.55 1704.99,1265.55 1736.05,1296.62 1736.05,1318.06 1738.75,1320.76 R12.1@1798.32,1320.76 ; U2.1 1720.69,1454.55 1710.54,1444.4 1710.54,1354.14 C15.2@1741.33,1323.35
NetBP1_2: BP1.2 Q1.3 | length 164.1
  Bottom Layer w15: BP1.2 575,1149.11 612.18,1111.93 Q1.3
NetD1_1: D1.1 R4.2 | length 61.4
  Bottom Layer w15: R4.2 1263.2,1534.34 D1.1
NetLED1_1: LED1.1 R1.2 | length 127.1
  Bottom Layer w10: LED1.1 2333.67,1308.91 R1.2
NetLED2_1: LED2.1 R2.2 | length 112.1
  Bottom Layer w10: LED2.1 2335.77,1036.22 R2.2
NetLED3_1: LED3.1 R6.2 | length 101.8
  Bottom Layer w10: LED3.1 2307.48,761.03 2337,731.5 2389.7,731.5 R6.2
NetLED4_1: LED4.1 R8.2 | length 102.3
  Bottom Layer w10: LED4.1 2309.93,446.07 2339.46,416.54 2382.37,416.54 R8.2
NetP4_4: P4.4 Q2.3 | length 371.3
  Bottom Layer w10: Q2.3 848.83,779.69 888.14,819 888.14,899.52 913.93,925.31 P4.4
NetQ1_1: Q1.1 R3.2 R7.1 | length 118.9
  Bottom Layer w15: R3.2 730.08,905.16 730.08,1019.93 Q1.1
NetQ2_1: Q2.1 R9.1 R10.1 | length 121.9
  Bottom Layer w10: R10.1 575,681.78 R9.1 577.98,742.29 Q2.1
OSC32_IN: C18.1 U1.5 X1.2 | length 488
  Bottom Layer w10: U1.5 1398.23,1227.29 1445.7,1274.76 1537.77,1274.76 1564.84,1301.83 1572.59,1301.83 1572.59,1304.06 1555.89,1320.76 C18.1
OSC32_OUT: C19.2 U1.6 X1.1 | length 512.4
  Bottom Layer w10: U1.6 1417.91,1225.76 1450.03,1257.87 1572.06,1257.87 1589.87,1275.68 ; 1589.87,1275.69 1601.51,1287.34 1601.51,1287.5 1611.96,1297.95 1611.96,1305.85 1626.88,1320.76 C19.2@1674.56,1320.76
OSC_IN: C20.2 U1.3 Y1.1 | length 484.3
  Bottom Layer w10: C20.2 1255.19,1385.76 Y1.1 1264.55,1384.27 1304.03,1344.8 1304.03,1130 1358.86,1075.17 U1.3
OSC_OUT: C22.2 U1.4 Y1.3 | length 421.8
  Bottom Layer w10: U1.4 1378.54,1090.63 1324.03,1145.14 1324.03,1278.39 1348.29,1302.66 1348.29,1310.53 1361.01,1323.25 Y1.3 1432.21,1323.25 C22.2
Relay_C_A: P2.3 U1.36 | length 1793.5
  Top Layer w10: v1(1568.02,648.45) 1568.02,1155.34 1974.72,1562.04 v1(2550.92,1562.04)
  Bottom Layer w10: U1.36 1555.71,633.43 1568.02,645.74 v1(1568.02,648.45) ; v1(2550.92,1562.04) 2593.14,1562.04 P2.3
Relay_C_B: P2.1 U1.35 | length 1893.9
  Top Layer w10: v1(1593.63,632.82) 1593.63,1159.74 1965.27,1531.37 2511.3,1531.37 2522.01,1520.66 v1(2647.83,1520.66)
  Bottom Layer w10: U1.35 1575.39,615.31 1592.9,632.82 v1(1593.63,632.82) ; v1(2647.83,1520.66) 2673.69,1520.66 2693.69,1540.66 P2.1
RS485_DIR: P1.3 U1.44 | length 2106.3
  Top Layer w10: v1(191.73,1475.2) 191.73,1137.5 309.3,1019.93 1292.57,1019.93 1423.82,888.68 v1(1423.82,683.53)
  Bottom Layer w10: P1.3 189.53,1541.5 189.53,1477.39 v1(191.73,1475.2) ; U1.44 1398.23,657.93 v1(1423.82,683.53)
RS485_RX: P1.1 U1.30 | length 1883.4
  Top Layer w10: v1(269.53,1475.2) 269.53,1426 287.24,1408.28 326.11,1408.28 v1(326.39,1408.57)
  Bottom Layer w10: v1(269.53,1475.2) P1.1 ; v1(326.39,1408.57) 326.88,1408.57 344.32,1426 698.39,1426 905.33,1219.06 1034.96,1219.06 1574.56,679.45 U1.30
RS485_TX: P1.5 U1.29 | length 2019.1
  Bottom Layer w10: P1.5 69.53,1496.68 125.21,1441 709,1441 915.94,1234.06 1041.17,1234.06 1576.09,699.13 U1.29
SWCLK: P3.2 R14.2 U1.49 | length 859.8
  Bottom Layer w10: U1.49 1198.65,640.08 1192.79,634.22 1192.79,371.5 1402.57,161.73 R14.2 1544,160.41 P3.2
SWDIO: P3.3 R13.1 U1.46 | length 731.1
  Bottom Layer w10: U1.46 1358.86,258.24 1423.82,193.28 1602.13,193.28 R13.1@1637.42,157.98 ; R13.1 1644,158.9 P3.3
VBAT: B1.1 C6.2 R4.1 U1.1 | length 1044.7
  Bottom Layer w10: 998.62,1447.72 998.62,1307.42 1291.95,1014.1 U1.1
  Bottom Layer w12: C6.2 848.03,1435.8 863.84,1419.99 970.89,1419.99 998.62,1447.72 B1.1 1004.27,1534.34 R4.1
VCC12: BP1.1 P2.2 R5.1 | length 2466.1
  Top Layer w14: v2(665.22,1533) 1503.5,1533 1566.46,1595.95 2642.24,1595.95 2697.53,1540.66 v2(2697.53,1425.62)
  Bottom Layer w14: BP1.1 v2(665.22,1533) ; R5.1 2222.73,1578.78 v2(2239.9,1595.95) ; P2.2 2697.53,1344.85 v2(2697.53,1425.62)
VCC33: C1.2 C2.1 C3.2 C4.2 C7.2 C8.2 C9.2 C10.2 C11.2 C12.2 C14.2 C16.2 C17.2 C21.2 D1.2 P3.4 P4.10 P4.11 P6.2 Q2.2 R1.1 R2.1 R6.1 R8.1 R9.2 R12.2 R13.2 R16.1 R17.1 U1.13 U1.19 U1.32 U1.48 U1.64 U2.5 U3.8 | length 9869
  Top Layer w15: v2(907.27,787.52) 907.27,817.53 v2@1070.16,980.42 ; v3(1368.88,1465.66) 1399.42,1496.19 v3(1786.93,1496.19)
  Top Layer w20: v2(907.27,787.52) 907.27,594.99 1150.66,351.6 1744,351.6 ; v2(1869.78,1369.1) 1626.88,1126.2 v1(1626.88,895.98) 1626.88,565.98 1744,448.85 1744,351.6 ; v1(2350.74,1365.33) v1(2350.74,1159.74) v1(2350.74,863.54) 2350.74,781.06 2355.98,775.82 v1(2355.98,546.45) 2355.98,526.43 2379.13,503.29 2379.13,416.54 2293.15,330.57 1972.87,330.57 1892,249.69 1892,98.34 1848.66,55 P3.4 1744,351.6
  Bottom Layer w10: P4.11 937.33,787.52 937.33,794.43 937.33,801.34 943.19,807.2 P4.10 ; C10.2 1184.47,1008.47 1222.12,970.82 1222.12,936.26 1232.52,936.26 1233.42,935.35 U1.64 1241.52,934.58 1269.75,934.58 1319.49,884.84 U1.48 1290.64,561.34 1257.44,528.13 C9.2 ; C17.2 C16.2 1565.8,1084.53 1555.71,1074.44 U1.13 1555.71,921.86 1581.58,895.98 v1(1626.88,895.98) U1.19 1825.52,895.98 1851.7,922.16 C7.2 C11.2 ; U1.32 1693.8,639.78 1723.95,639.78 1760.38,603.35 1778.94,603.35 C8.2@1786.38,595.91 ; P3.4 1744,219.57 C14.2 1744.05,299.51 1744.95,300.42 U3.8 1839.37,300.42 C21.2 1851.37,309.92 1889.45,347.99 1889.45,495.61 1789.15,595.91 C8.2 ; v1(2350.74,863.54) 2391.63,822.65 R6.1 ; v1(2350.74,1159.74) 2379.13,1131.35 2379.13,1111.22 2389.13,1101.22 R2.1 ; v1(2350.74,1365.33) 2359.32,1373.91 R1.1 ; v1(2355.98,546.45) 2357.9,544.54 2357.9,522.02 2389.13,490.79 R8.1
  Bottom Layer w15: P6.2 380.52,365.69 380.52,133.2 C3.2 ; R9.2 662.88,810.28 681.13,792.02 681.13,754.54 707.22,728.46 848.21,728.46 v2(907.27,787.52) 930.42,787.52 937.33,794.43 ; v2(1071.4,980.42) 1099.45,1008.47 C10.2 ; v3(1368.88,1465.66) 1368.96,1465.73 1368.96,1540.1 D1.2 ; R13.2 1644.72,223.18 1740.49,223.18 C14.2 ; R16.1 R17.1 1758.77,528.93 1786.65,556.81 C8.2 ; R12.2@1797.52,1393.26 1797.52,1457.07 ; C4.2 1797.52,1581.51 1785.34,1569.32 1785.34,1497.79 v3(1786.93,1496.19) 1791.71,1491.41 1791.71,1462.88 1797.52,1457.07 ; R12.2 1853.12,1385.76 v2(1869.78,1369.1) ; U2.5 1800.05,1454.55 1797.52,1457.07
  Bottom Layer w20: P6.2 1023.87,366.3 v3(1079.92,422.35)
pads on no net: P1.4 P1.6 P4.1 P4.14 P4.15 P4.16 P8.1 P8.2 P8.3 P8.4 P8.5 P8.6 U1.2 U1.10 U1.11 U1.37 U1.38 U1.39 U1.40 U1.41 U1.42 U1.43 U2.3

## Polygon pours and split planes (outlines as drawn)
GND on Top Layer "GND_L01_P000" (solid, remove dead copper, pour order 0): -111,1898 3184,1898 3184,-305 3136,-257 -362,-257 -362,1647 -162,1847
GND on Bottom Layer "GND_L02_P001" (solid, remove dead copper, pour order 1): -299,1752 -241,1810 3227,1810 3227,-128 3352,-253 3264,-341 -78,-341 -78,86 -542,550 -294,798 -294,1760

## Keep-outs
Keep-Out Layer:
  lines w10: -0.28,1629.5 2755.63,1629.5 2755.63,-0.28 2755.35,0 0,0 0,1629.22 ; 2009.88,353.16 2009.88,1258.01 2107.88,1258.01 2107.88,353.16 2009.88,353.16

## Silkscreen, mask and mechanical layers (free items; w line width, h text height)
Top Overlay:
  lines w10: 98.43,118.11 98.43,1496.06 2657.48,1496.06 2657.48,118.11 98.43,118.11
  text "70mm" at 1220.04,1669.59 h80
  text "41mm" at 2946,979 h80 r270
  text "35mm" at 2838.59,926 h80 r270
  text "4P单相主板-V1" at 104,33.11 h90
  text "G  C  D  V" at 1965.68,31.1 h90
  text "2025-11-28" at 799.76,30.73 h90
  text "65mm" at 1202,-71 h60

## Text inside footprints (layer, text, board x,y; h text height)
B1: Bottom Overlay "+" at 1019.62,1511.99 h38.61 r270
P4: Bottom Overlay "A" at 803.69,649.75 h23.62 r270; Bottom Overlay "XX" at 804.78,1096.37 h23.62 r270